# Altium PCB PCB_TEST.PcbDoc (part 5 of 6) (continued)
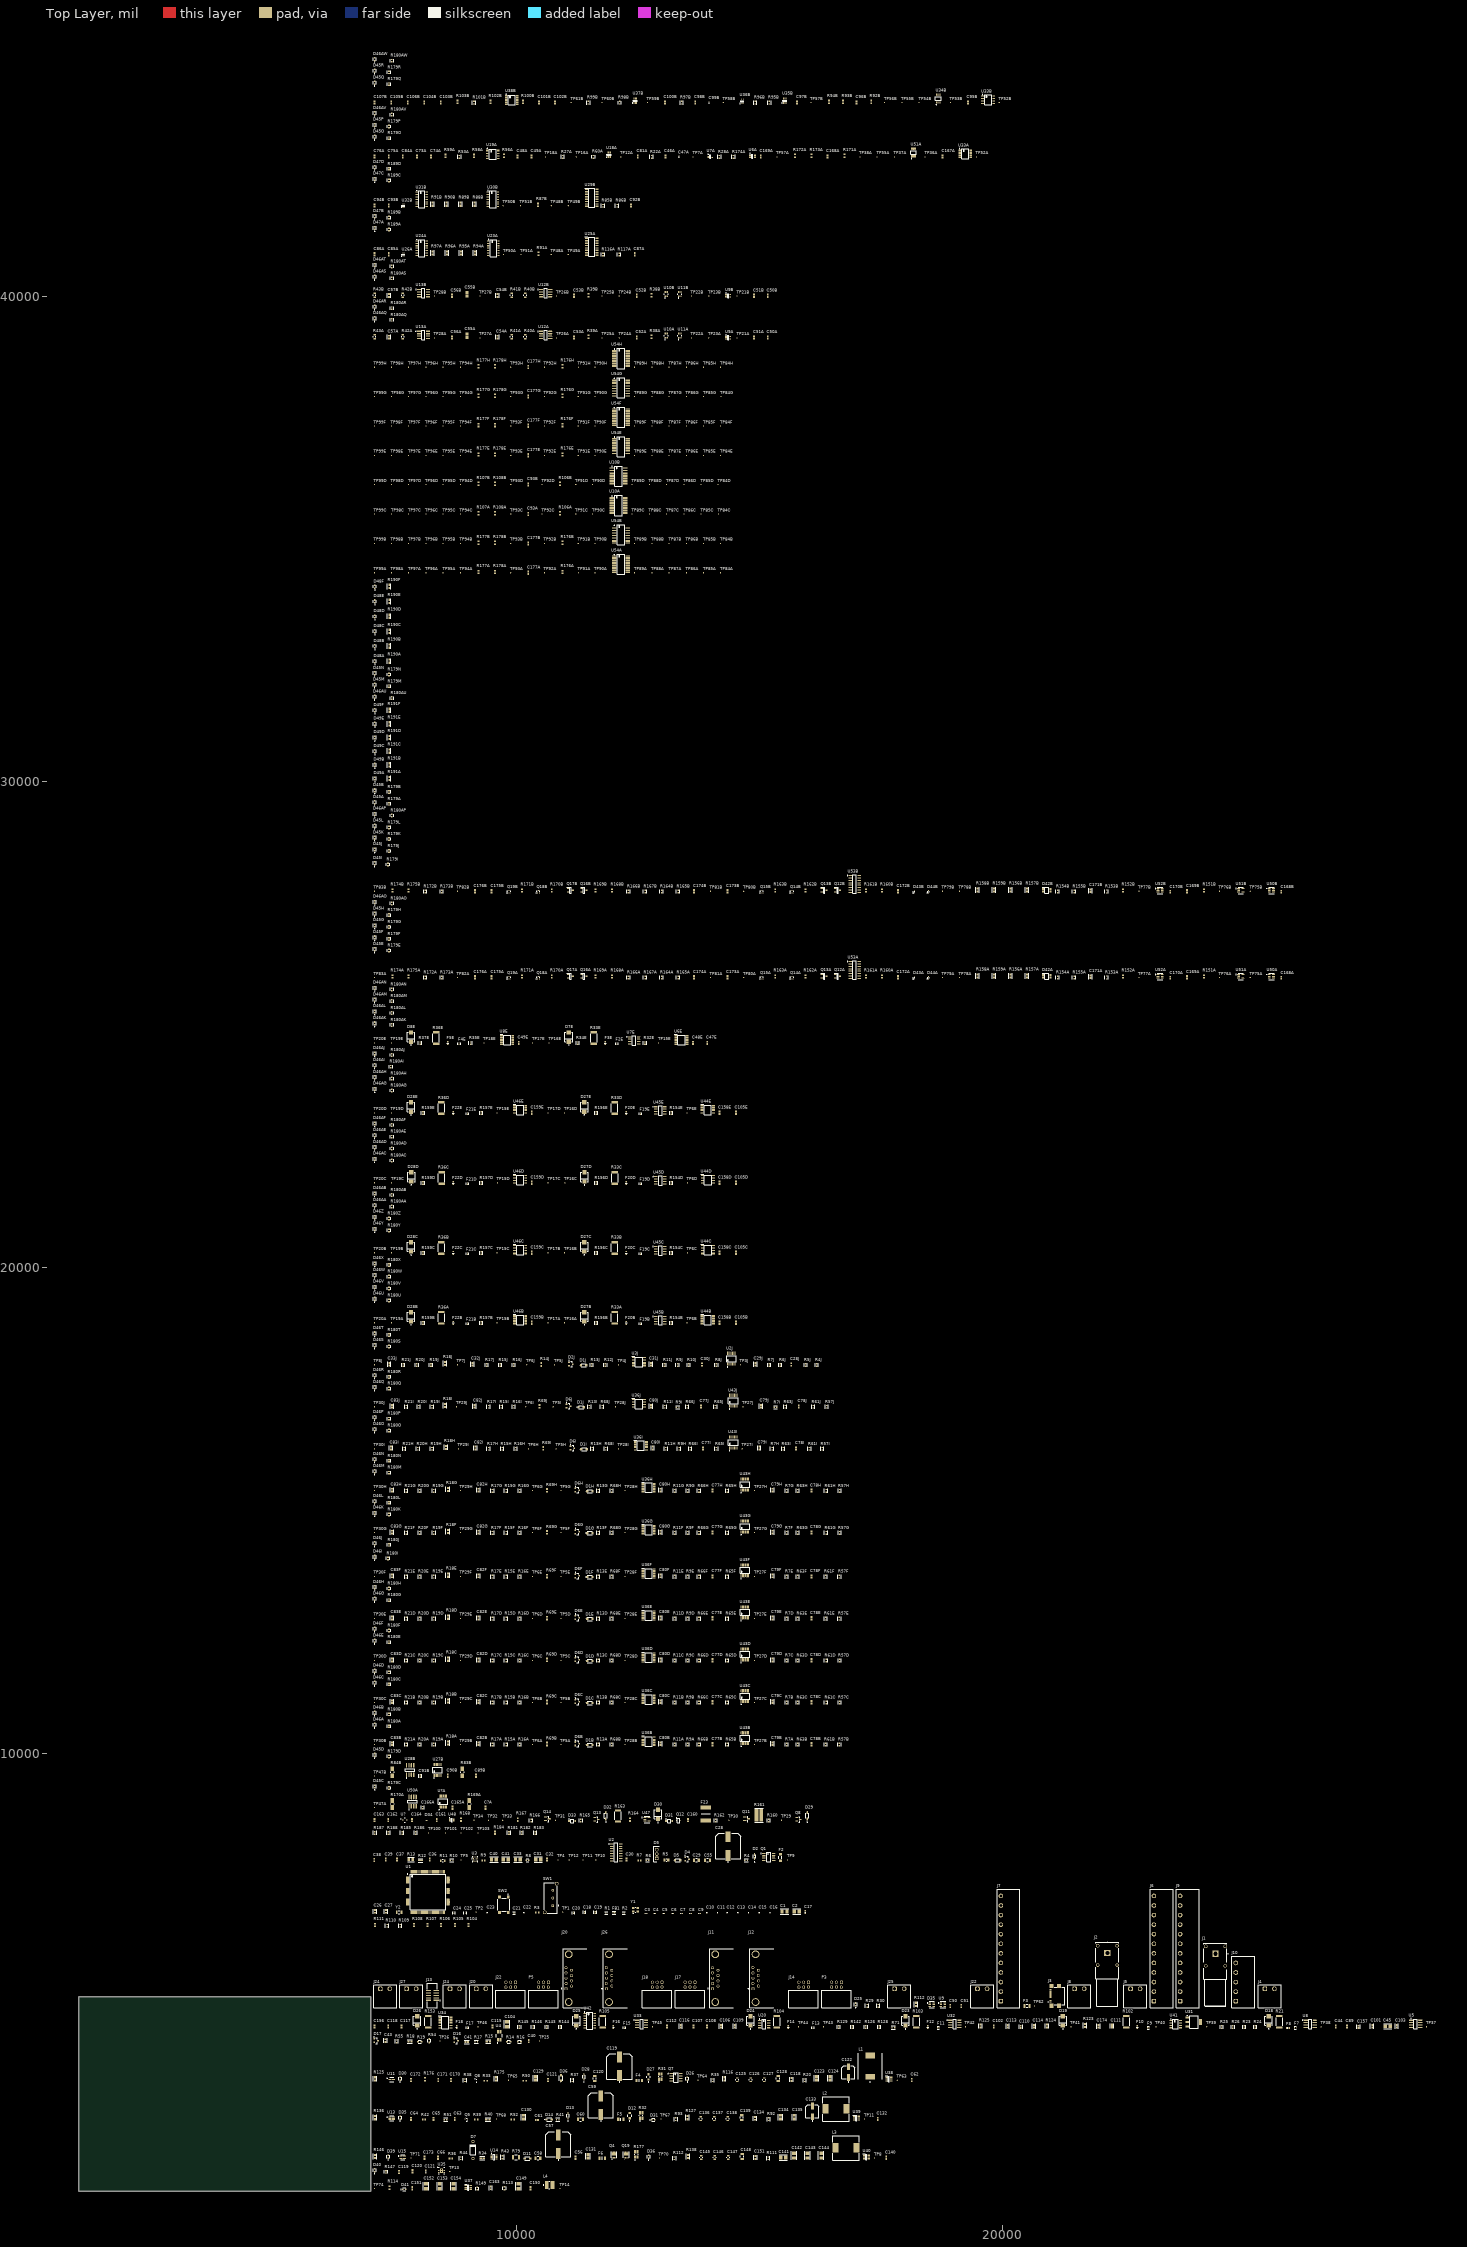
[diagram p0: Top Layer view]
## Part data (continued)
U2 U53A U53B: library part CMP-016-00012-1, "MC74HC238ADR2G, Decoder, Demultiplexer, 1-OF-8, Non-inverting, 2 to 6V, 16-PIN SOIC", Case/Package=SOP, Max Operating Temperature=125°C, Max Supply Voltage=6V, Min Operating Temperature=-55°C, Min Supply Voltage=2V, Mounting Technology="Surface Mount", Pins=16
U2J U43B U43C U43D U43E U43F U43G U43H U43I U43J: library part CMP-014-00007-1, "Cut Tape (CT) LM2901 CMOS MOS Open-Collector TTL 0.25muA comparator circuit 250nA 1.3mus 5mm 9V", Case/Package=TSSOP, Dual Supply Voltage=9V, Input Bias Current=-25nA, Input Offset Voltage (Vos)=2mV, Manufacturer Lifecycle Status=ACTIVE, Max Dual Supply Voltage=15V, Max Input Current=250nA, Max Junction Temperature (Tj)=125°C, Max Supply Current=2mA, Max Supply Voltage=30V, Min Dual Supply Voltage=1V, Min Operating Temperature=-40°C, Min Supply Voltage=2V, Operating Supply Voltage=28V, Output Current per Channel=20mA, Quiescent Current=2.5mA, Voltage Gain=100dB, Contact Plating=Gold, Height=0m, Lead Free="Lead Free", Length=5mm, Lifecycle Status=Production, Max Operating Temperature=125°C, Mounting Technology="Surface Mount", Nominal Supply Current=2mA, Number Of Channels=4, Number of Elements=4, Output Type=TTL, Packaging="Cut Tape", Pins=14, Radiation Hardening=No, REACH SVHC=No, Response Time=1.3µs, RoHS=Compliant, Schedule B="8542390000, 8542390000", Thickness=1mm, Weight=57.209338mg, Width=4.4mm
U3: library part CMP-031-00010-1, "2.7-V to 22-V, 56-mΩ, 4.5-A, power mux with seamless switchover 12-VQFN-HR -40 to 125", Max Operating Temperature=125°C, Max Supply Voltage=22V, Min Operating Temperature=-40°C, Min Supply Voltage=2.8V, Pins=12
U3J U36B U36C U36D U36E U36F U36G U36H U36I U36J: "Integrated Circuit", Manufacturer_Name=Nexperia, Mouser Part Number=771-HC151PW118, Arrow Part Number=74HC151PW,118, Arrow Price/Stock=https://www.arrow.com/en/products/74hc151pw118/nexperia?region=nac, Datasheet Link=https://assets.nexperia.com/documents/data-sheet/74HC_HCT151.pdf, Height=1.1mm, Manufacturer_Part_Number=74HC151PW,118, Mouser Price/Stock=https://www.mouser.co.uk/ProductDetail/Nexperia/74HC151PW118?qs=P62ublwmbi%252BqenrdxHR1gw%3D%3D
U4: library part CMP-014-00005-1, "Dual, 5.5-V, 10-MHz operational amplifier 8-VSSOP -40 to 125", Case/Package=VSSOP, Max Operating Temperature=125°C, Max Supply Voltage=5.5V, Min Operating Temperature=-40°C, Min Supply Voltage=1.8V, Pins=8
U5: library part CMP-019-00063-1, "LDO Regulator Pos 5V 0.5A Automotive 8-Pin SOIC N Tube / IC REG LDO 5V 0.5A 8SOIC", Dropout Voltage=300mV, Manufacturer Lifecycle Status=PRODUCTION, Max Operating Temperature=125°C, Max Output current=500mA, Max Supply Voltage=20V, Min Current Limit=520mA, Min Input Voltage=1.8V, Min Operating Temperature=-40°C, Nominal Output Voltage=5V, Operating Supply Current=30µA, Power Supply Rejection Ratio (PSRR)=65dB, Height=1.498mm, Lead Free="Lead Free", Length=5mm, Lifecycle Status=Production, Number Of Channels=1, Number of Outputs=1, Number of Regulators=1, Output Current=500mA, Output Type=Fixed, Output Voltage=5V, Pins=8, Polarity=Positive, Quiescent Current=30µA, REACH SVHC=No, RoHS=Compliant, Schedule B="8542390000, 8542390000", Width=3.988mm
U6A U18A U35B U37B: library part CMP-016-00013-1, "Translators, Level Shifters bidirectional 420Mbps 1.65V~5.5VCCA 1.65V~5.5VCCB", Case/Package=SC, High Level Output Current=-32mA, Low Level Output Current=32mA, Manufacturer Lifecycle Status=ACTIVE, Max Operating Temperature=85°C, Max Supply Voltage=5.5V, Min Operating Temperature=-40°C, Min Supply Voltage=1.65V, Quiescent Current=3µA, Contact Plating=Gold, Data Rate=420Mbps, Direction=Bidirectional, Height=1.1mm, Lead Free="Lead Free", Length=2mm, Lifecycle Status=Production, Logic Function="Transceiver, Translator", Min Supply Voltage (DC)=1.65V, Mounting Technology="Surface Mount", Number of Bits=1, Number Of Channels=1, Number of Elements=1, Packaging="Cut Tape", Pins=6, Polarity=Non-Inverting, Propagation Delay=3.9ns, Radiation Hardening=No, REACH SVHC=No, RoHS=Compliant, Schedule B="8542390000, 8542390000", Thickness=900µm, Topology=Push-Pull, Turn-On Delay Time=17.7ns, Weight=2.494758mg, Width=1.25mm
U6E U8E U44B U44C U44D U44E U46B U46C U46D U46E: "Integrated Circuit", Manufacturer_Name="Texas Instruments", Mouser Part Number=595-TMUX4052PWR, Arrow Part Number=TMUX4052PWR, Arrow Price/Stock=https://www.arrow.com/en/products/tmux4052pwr/texas-instruments.html?utm_currency=USD&region=nac, Datasheet Link=https://www.ti.com/lit/ds/symlink/tmux4052.pdf?ts=1676371866155&ref_url=https%253A%252F%252Fwww.ti.com%252Fproduct%252FTMUX4052, Height=1.2mm, Manufacturer_Part_Number=TMUX4052PWR, Mouser Price/Stock=https://www.mouser.co.uk/ProductDetail/Texas-Instruments/TMUX4052PWR?qs=amGC7iS6iy8OsL8GnYryxg%3D%3D
U7A U36B: library part CMP-004-00058-1, "11V Unidirectional 5.5V SOT-553-5 ESD and Surge Protection (TVS/ESD) ROHS", Ambient Temperature Range High=85°C, Breakdown Voltage=11V, Case/Package=SOT, Clamping Voltage=105.5V, Leakage Current=1nA, Manufacturer Lifecycle Status=ACTIVE, Max Junction Temperature (Tj)=150°C, Max Supply Voltage=5.5V, Min Operating Temperature=-40°C, Min Supply Voltage=900mV, Peak Pulse Current=10A, Power Line Protection=Yes, Contact Plating=Gold, Depth=1.2mm, Direction=Unidirectional, Element Configuration=Dual, Height=0m, Interface="Ethernet, LVDS", Lead Free="Lead Free", Length=1.6mm, Lifecycle Status=Production, Max Operating Temperature=85°C, Min Breakdown Voltage=11V, Number of Bidirectional Channels=2, Number Of Channels=2, Number of Outputs=2, Operating Supply Voltage=5.5V, Pins=5, Polarity=Unidirectional, Radiation Hardening=No, REACH SVHC=No, Reverse Standoff Voltage=5.5V, RoHS=Compliant, Schedule B="8541100080, 8541100080", Termination=SMD/SMT, Thickness=550µm, Weight=2.806603mg, Width=1.2mm, Working Voltage=5.5V
U7E U45B U45C U45D U45E: library part CMP-04895-000315-1, "IC OPAMP GP 2 CIRCUIT 8SOIC"
U8 U32 U33: library part CMP-014-00008-1, "IC OPAMP GP 2 CIRCUIT 8SOIC / General Purpose Amplifier 2 Circuit Rail-to-Rail 8-SOIC", Case/Package=SOIC, Input Bias Current=5pA, Input Offset Voltage (Vos)=25µV, Manufacturer Lifecycle Status=ACTIVE, Max Dual Supply Voltage=18V, Max Junction Temperature (Tj)=150°C, Max Operating Temperature=125°C, Max Supply Voltage=36V, Min Dual Supply Voltage=2.25V, Min Operating Temperature=-40°C, Min Supply Voltage=4.5V, Nominal Supply Current=140µA, Output Current per Channel=65mA, Bandwidth=2.2MHz, Height=1.75mm, Length=4.9mm, Lifecycle Status=Production, Number Of Channels=2, Pins=8, Response Time=700ns, RoHS=Compliant, Slew Rate=6.5V/µs, Thickness=1.58mm, Width=3.91mm
U9A U9B: library part CMP-0859-00252-3, "Single Inverter, DCK0005A, LARGE T&R", F @ Nom Voltage(Max)(Mhz)=150, Generic Part Number=SN74LVC1G04, ICC @ Nom Voltage(Max)(mA)=0.01, Manufacturer="Texas Instruments", Operating Temperature Range(C)="-40 to 125,-40 to 85", Rating=Catalog, tpd @ Nom Voltage(Max)(ns)=7.5,5.2,4.2,3.7, Voltage(Nom)(V)=1.8,2.5,3.3,5, 3-State Output=No, Bits(#)=1, DatasheetVersion=SCES214AD, Input Type=CMOS/TTL, Logic=Inverting, Output Drive (IOL/IOH)(Max)(mA)=32/-32, Output Type=CMOS, PackageReference=DCK0005A, Schmitt Trigger=No, Sub-Family="Inverting Buffer/Driver", Technology Family=LVC, VCC(Max)(V)=5.5, VCC(Min)(V)=1.65
U10A U10B U11A U11B U?: library part CMP-011-00020-1, "Single-pole Double-throw Analog Switch SPDT, 1 Func, 1 Channel, Cmos, PDSO6", Ambient Temperature Range High=125°C, Case/Package=SC, Drain to Source Resistance=11Ω, Frequency=340MHz, High Level Output Current=128mA, Manufacturer Lifecycle Status=ACTIVE, Max Junction Temperature (Tj)=150°C, Max Supply Current=10µA, Max Supply Voltage=5.5V, Min Operating Temperature=-40°C, Min Supply Voltage=1.65V, Nominal Supply Current=1µA, On-State Resistance=6Ω, -3db Bandwidth=340MHz, Bandwidth=300MHz, Contact Plating=Gold, Height=1.1mm, Interface="I2C, SPI, UART", Lead Free="Lead Free", Length=2mm, Lifecycle Status=Production, Low Level Output Current=128mA, Max Operating Temperature=125°C, Mounting Technology="Surface Mount", Number of Bits=1, Number Of Channels=1, Number of Circuits=1, Number of Inputs=2, Number of Outputs=1, Operating Supply Current=1µA, Packaging="Cut Tape", Pins=6, Polarity=Non-Inverting, Propagation Delay=2ns, Radiation Hardening=No, REACH SVHC=No, RoHS=Compliant, Schedule B="8542390000, 8542390000", Supply Type=Single, Termination=SMD/SMT, Thickness=900µm, Throw Configuration=SPDT, Turn-Off Delay Time=3.8ns, Turn-On Delay Time=5.7ns, Weight=2.494758mg, Width=1.25mm
U10A U10B U54A U54B U54E U54F U54G U54H: library part CMP-031-00018-1, "I²C Bus IC Operating temperature: -40...+125 °C Power supply: 1.8...5.5 V Package: SSOP-20", Case/Package=SSOP, Clock Frequency=1.7MHz, Manufacturer Lifecycle Status=REL, Max Operating Temperature=125°C, Max Power Dissipation=700mW, Max Supply Voltage=5.5V, Min Operating Temperature=-40°C, Min Supply Voltage=4.5V, Nominal Supply Current=1mA, Output Current=25mA, Country of Assembly="Philippines, Thailand", Country of Fabrication="United States of America", Country of Origin="Philippines, Thailand", Export Control Classification Number (ECCN) Code=EAR99, Frequency=1.7MHz, Harmonized Tariff Schedule (HTS) Code=8542.39.0060, HS Code=8542.39.0090, Interface="I2C, Serial", Introduction Date=2005-06-24, Lead Free="Lead Free", Lifecycle Status=Production, Mounting Technology="Surface Mount", Number of Bits=16, Number of I/Os=16, Packaging=Bulk, Pins=28, Projected EOL Date=2034-06-24, REACH SVHC=No, RoHS=Compliant, Schedule B="8542390000, 8542390000", Weight=2.26799g
U11 U13 U15: library part CMP-014-00006-1, "26-V bi-directional 350-kHz current-sense amplifier 6-SC70 -40 to 125", Max Operating Temperature=125°C, Max Supply Voltage=5.5V, Min Operating Temperature=-40°C, Min Supply Voltage=2.7V, Pins=6
U12A U12B U13A U13B: library part CMP-014-00004-1, "4.5ns, Rail-to-Rail, High Speed Comparator with Shutdown 8-SOIC -40 to 125", Ambient Temperature Range High=125°C, Case/Package=SOIC, Input Bias Current=2pA, Input Offset Voltage (Vos)=1mV, Manufacturer Lifecycle Status=ACTIVE, Max Junction Temperature (Tj)=150°C, Max Supply Voltage=5.5V, Min Operating Temperature=-40°C, Min Supply Voltage=2.2V, Nominal Supply Current=3.2mA, Operating Supply Current=5mA, Output Current=74mA, Power Supply Rejection Ratio (PSRR)=100dB, Common Mode Rejection Ratio=70dB, Height=1.75mm, Hysteresis=6mV, Lead Free="Lead Free", Length=4.9mm, Lifecycle Status=Production, Max Operating Temperature=125°C, Mounting Technology="Surface Mount", Number Of Channels=1, Number of Elements=1, Output Type=TTL, Pins=8, Propagation Delay=10ns, Quiescent Current=5mA, Radiation Hardening=No, REACH SVHC=No, Response Time=4.5ns, RoHS=Compliant, Schedule B="8542390000, 8542390000", Supply Type=Single, Thickness=1.58mm, Type="General Purpose", Weight=75.891673mg, Width=3.91mm
U14: library part CMP-031-00014-1, "Overvoltage, Undervoltage and Reverse Supply Protection Controller", Case/Package=SOT-23-8, Max Operating Temperature=70°C, Min Operating Temperature=0°C, Pins=8
U19A U38B: library part CMP-00024-00006-1, "3- to 5.5-V single channel 1Mbps RS-232 line driver/receiver with +/-15-kV IEC-ESD protection 16-TSSOP -40 to 85", Case/Package=TSSOP, Manufacturer Lifecycle Status=ACTIVE, Max Operating Temperature=85°C, Max Supply Voltage=5.5V, Min Operating Temperature=-40°C, Min Supply Voltage=3V, Nominal Supply Current=1mA, Operating Supply Voltage=5V, Output Current=35mA, Output Voltage=13.2V, Contact Plating=Gold, Data Rate=1Mbps, ESD Protection=Yes, Height=1.2mm, Lead Free="Lead Free", Length=5mm, Lifecycle Status=Production, Logic Function="Receiver, Transceiver", Mounting Technology="Surface Mount", Number of Drivers=1, Number of Receivers=1, Number of Transceivers=1, Number of Transmitters=1, Pins=16, Propagation Delay=150ns, RoHS=Compliant, Schedule B="8542390000, 8542390000", Simplex/Duplex="Full Duplex", Thickness=1mm, Weight=61.887009mg, Width=4.4mm
U20: library part CMP-019-00062-1, "V-Ref Precision 5V 10mA 8-Pin SOIC N Tube / IC VREF SERIES 5V 8SOIC", Case/Package=SOIC, Manufacturer Lifecycle Status=PRODUCTION, Max Operating Temperature=125°C, Max Output current=10mA, Max Output Voltage=5V, Max Supply Voltage=15V, Min Input Voltage=3V, Min Operating Temperature=-40°C, Nominal Supply Current=950µA, Temperature Coefficient=4ppm/°C, Tolerance=0.04%, Height=1.5mm, Lead Free="Contains Lead", Length=5mm, Lifecycle Status=Production, Min Output Voltage=5V, Operating Supply Current=950µA, Output Current=10mA, Output Type=Fixed, Output Voltage=5V, Pins=8, Radiation Hardening=No, REACH SVHC=No, Reference Type=Series, Reference Voltage=5V, RoHS=Compliant, Schedule B="8542390000, 8542390000", Width=4mm
U23A U24A U30B U31B: library part CMP-031-00016-1, "Buffer/Line Driver 4-CH Non-Inverting 3-ST CMOS Automotive 14-Pin SOIC T/R", Case/Package=SOIC, Max Operating Temperature=125°C, Max Supply Voltage=3.6V, Min Operating Temperature=-40°C, Min Supply Voltage=1.65V, Mounting Technology="Surface Mount", Pins=14
U25A U29B: "Integrated Circuit", Manufacturer_Name=Nexperia, Mouser Part Number=771-74HC138D-T, Arrow Part Number=74HC138D,653, Arrow Price/Stock=https://www.arrow.com/en/products/74hc138d653/nexperia?utm_currency=USD&region=nac, Datasheet Link=https://assets.nexperia.com/documents/data-sheet/74HC_HCT138.pdf, Height=1.75mm, Manufacturer_Part_Number=74HC138D,653, Mouser Price/Stock=https://www.mouser.co.uk/ProductDetail/Nexperia/74HC138D653?qs=P62ublwmbi8APHT0Qk%252B6Yw%3D%3D
U26A U32B: "Integrated Circuit", Manufacturer_Name="Texas Instruments", Mouser Part Number=595-TPD4E1B06DRLR, Arrow Part Number=TPD4E1B06DRLR, Arrow Price/Stock=https://www.arrow.com/en/products/tpd4e1b06drlr/texas-instruments?utm_currency=USD&region=nac, Datasheet Link=http://www.ti.com/lit/ds/symlink/tpd4e1b06.pdf, Height=0.6mm, Manufacturer_Part_Number=TPD4E1B06DRLR, Mouser Price/Stock=https://www.mouser.co.uk/ProductDetail/Texas-Instruments/TPD4E1B06DRLR?qs=1MXlzafEN387aRSX0e2MEQ%3D%3D
U27B U?A: library part CMP-04892-000034-1, "IC SWITCH SPST QUAD 14TSSOP", RoHS Compliant=Yes
U28B U50A: library part CMP-0315-00015-3, "IC TRANSCEIVER HALF 1/1 8SOIC", Case/Package=D, Max Operating Temperature=85°C, Max Supply Current=17mA, Max Supply Voltage=3.6V, Min Operating Temperature=-40°C, Min Supply Voltage=3V, Operating Supply Voltage=3.3V, Package Quantity=1, Contact Plating=Gold, Data Rate=1Mbps, Lead Free="Lead Free", Nominal Supply Current=17mA, Number of Drivers=1, Number of I/Os=2, Number of Pins=8, Number of Receive Buffers=1, Number of Receivers=1, Number of Transceivers=1, Number of Transmit Buffers=1, Packaging="Tape and Reel", Radiation Hardening=No, REACH SVHC="No SVHC", Termination=SMD/SMT, Weight=0.002561oz
U31: library part CMP-019-00061-1, "LDO Regulator Pos 0V to 30V 1.1A Automotive 4-Pin(3+Tab) SOT-223", Manufacturer Lifecycle Status=PRODUCTION, Max Operating Temperature=125°C, Max Output current=1.1A, Max Output Voltage=36V, Min Input Voltage=1.2V, Min Operating Temperature=-40°C, Min Output Voltage=0V, Operating Supply Current=300µA, Output Voltage Accuracy=1%, Quiescent Current=500µA, Reference Voltage=5mV, Height=1.7mm, Lead Free="Lead Free", Length=6.71mm, Lifecycle Status=Production, Max Supply Voltage=36V, Min Current Limit=1.1A, Number Of Channels=1, Number of Outputs=1, Number of Regulators=1, Output Current=1.1A, Output Type=Adjustable, Pins=3, Polarity=Positive, REACH SVHC=No, RoHS=Compliant, Schedule B="8542390000, 8542390000", Width=3.71mm
U33A U33B: library part CMP-016-00019-1, "4.3NS@ 3.3V, 50PF 1 2 4 4 2V 3.6V 24MA Nand Gate Lvc 24MA TSSOP-14 5MM*4.4MM*1.15MM", Case/Package=TSSOP, High Level Output Current=-24mA, Low Level Output Current=24mA, Manufacturer Lifecycle Status=ACTIVE, Max Operating Temperature=125°C, Max Supply Voltage=3.6V, Min Operating Temperature=-40°C, Min Supply Voltage=2V, Quiescent Current=10µA, Height=0m, Lead Free="Lead Free", Length=5mm, Lifecycle Status=Production, Logic Function=NAND, Mounting Technology="Surface Mount", Number of Bits=4, Number of Circuits=4, Number of Elements=4, Number of Gates=4, Number of Input Lines=2, Number of Inputs=2, Number of Output Lines=1, Number of Outputs=1, Packaging="Tape & Reel (TR)", Pins=14, Propagation Delay=4.3ns, Radiation Hardening=No, RoHS=Compliant, Thickness=1mm, Turn-On Delay Time=4.3ns, Weight=57.209338mg, Width=4.4mm
U34: "Integrated Circuit", Manufacturer_Name=Microchip, Manufacturer_Part_Number=MCP48CVB28T-20E/ST, Mouser Part Number=579-MCP48CVB28T20EST, Datasheet Link=https://ww1.microchip.com/downloads/aemDocuments/documents/MSLD/ProductDocuments/DataSheets/MCP48CXBX4_8-Family-Data-Sheet-20006556B.pdf, Height=1.2mm, Mouser Price/Stock=https://www.mouser.co.uk/ProductDetail/Microchip-Technology/MCP48CVB28T-20E-ST?qs=W%2FMpXkg%252BdQ6AZUXaqyjWrA%3D%3D
U34B U51A: library part CMP-011-00021-1, "5V, 4: 1, 1-channel, analog multiplexer, 1.8V compatible logic 10-VSSOP -40 to 125", Ambient Temperature Range High=125°C, Case/Package=VSSOP, Manufacturer Lifecycle Status=ACTIVE, Max Junction Temperature (Tj)=150°C, Max Supply Voltage=5.5V, Min Operating Temperature=-40°C, Min Supply Voltage=1.08V, Nominal Supply Current=10nA, On-State Resistance=5Ω, -3db Bandwidth=125MHz, Height=1.07mm, Length=3mm, Lifecycle Status=Production, Max Operating Temperature=125°C, Number Of Channels=1, Number of Circuits=1, Pins=10, RoHS=Compliant, Schedule B="8542390000, 8542390000", Thickness=1.02mm, Throw Configuration=SP4T, Width=3mm
U35: library part CMP-019-00056-1, "500 mA low quiescent current low noise voltage regulator", Case/Package="DFN EP", Dropout Voltage=400mV, Max Operating Temperature=125°C, Max Supply Voltage=5.5V, Min Operating Temperature=-40°C, Output Current=500mA, Output Voltage=3.3V, Mounting Technology="Surface Mount", Pins=6
U37: "Undefined or Miscellaneous", Manufacturer_Name="Texas Instruments", Mouser Part Number=595-TPS561208DDCR, Arrow Part Number=TPS561208DDCR, Arrow Price/Stock=https://www.arrow.com/en/products/tps561208ddcr/texas-instruments?utm_currency=USD&region=nac, Datasheet Link=http://www.ti.com/lit/gpn/tps561208, Height=1.1mm, Manufacturer_Part_Number=TPS561208DDCR, Mouser Price/Stock=https://www.mouser.co.uk/ProductDetail/Texas-Instruments/TPS561208DDCR?qs=5aG0NVq1C4wGRU8Kylr4iw%3D%3D
U38 U39 U40: "Integrated Circuit", Manufacturer_Name="Texas Instruments", Mouser Part Number=595-LMR51625XDDCR, Arrow Part Number=LMR51625XDDCR, Arrow Price/Stock=https://www.arrow.com/en/products/lmr51625xddcr/texas-instruments.html?utm_currency=USD&region=nac, Datasheet Link=https://www.ti.com/lit/ds/symlink/lmr51625.pdf?ts=1740555768028, Height=1.1mm, Manufacturer_Part_Number=LMR51625XDDCR, Mouser Price/Stock=https://www.mouser.co.uk/ProductDetail/Texas-Instruments/LMR51625XDDCR?qs=efUn273yAheKjJQ13bmSQQ%3D%3D
U41: library part CMP-019-00065-1, "ISP452 Series 34 V 100 mOhm SMT Smart Power High Side Switch - PG-DSO-8", Case/Package=SOP, Current=2.4A, Max Operating Temperature=85°C, Max Output current=8.5A, Max Power Dissipation=1.5W, Max Supply Current=500µA, Max Supply Voltage=34V, Min Operating Temperature=-30°C, Min Supply Voltage=5V, Nominal Supply Voltage=41V, On-State Resistance=100mΩ, Operating Supply Voltage=20V, Output Current=2A, Package Quantity=2500, Temperature Grade="Commercial Extended", Voltage=16V, China RoHS=Compliant, Country of Origin=Malaysia, Export Control Classification Number (ECCN) Code=EAR99, Harmonized Tariff Schedule (HTS) Code=8542.39.00.60, Height=1.45mm, Height - Seated (Max)=1.75mm, Introduction Date=2006-03-09, Length=5mm, Lifecycle Status=Production, Load Current=2.4A, Nominal Supply Current=500µA, Number Of Channels=1, Number of Circuits=1, Number of Outputs=1, Number of Terminals=8, Number of Transmitters=1, Output Current per Channel=2.4A, Packaging="Tape & Reel", Pins=8, Power Dissipation=1.5W, Radiation Hardening=No, REACH SVHC=Yes, RoHS=Compliant, Schedule B=8542390000, Terminal Pitch=1.27mm, Width=4mm
U42: library part CMP-015-00011-1, "8mA 1 4.5V~5.5V 8mA 4 SOP-14 Buffer/Driver/Transceiver ROHS", Case/Package=SOIC, High Level Output Current=-8mA, Low Level Output Current=8mA, Manufacturer Lifecycle Status=ACTIVE, Max Operating Temperature=85°C, Max Supply Voltage=5.5V, Min Operating Temperature=-40°C, Min Supply Voltage=4.5V, Operating Supply Voltage=5V, Quiescent Current=2µA, Height=0m, Lead Free="Lead Free", Length=8.65mm, Lifecycle Status=Production, Logic Function="Buffer, Inverting", Mounting Technology="Surface Mount", Number of Bits=4, Number of Bits per Element=1, Number Of Channels=4, Number of Circuits=4, Number of Elements=4, Number of Input Lines=4, Number of Inputs=4, Number of Output Lines=4, Number of Outputs=4, Packaging="Tape & Reel", Pins=14, Polarity=Non-Inverting, Propagation Delay=7.5ns, Radiation Hardening=No, REACH SVHC=No, RoHS=Compliant, Schedule B="8542390000, 8542390000", Thickness=1.58mm, Turn-On Delay Time=10ns, Width=3.91mm
U47: library part CMP-04912-000026-1, "IC GATE DVR LOW SIDE 1CH SOT23-5", Case/Package=SOT-23-5, Max Operating Temperature=125°C, Max Output current=4A, Max Supply Voltage=18V, Min Operating Temperature=-40°C, Min Supply Voltage=4.5V, Package Quantity=3000, Channel Type=Single, Lead Free="Lead Free", Mount="Surface Mount", Number Of Channels=1, Number of Drivers=1, Number of Outputs=1, Number of Pins=5, Packaging="Tape and Reel", Radiation Hardening=No
U48: library part CMP-0859-00822-3, "Single-Bit Dual-Supply Bus Transceiver with Configurable Voltage Translation and 3-State Outputs, DRL0006A, LARGE T&R", F @ Nom Voltage(Max)(Mhz)=150, Generic Part Number=SN74LVC1T45, ICC @ Nom Voltage(Max)(mA)=0.004, Manufacturer="Texas Instruments", Operating Temperature Range(C)="-40 to 85", Rating=Catalog, tpd @ Nom Voltage(Max)(ns)=15.5,8,5.8,4.4, Voltage(Nom)(V)=1.8,2.5,3.3,5, 3-State Output=Yes, Bits(#)=1, DatasheetVersion=SCES515K, Input Type=CMOS/TTL, Logic=True, Output Drive (IOL/IOH)(Max)(mA)=32/-32, Output Type=CMOS, PackageReference=DRL0006A, Schmitt Trigger=No, Sub-Family="Dual Supply Translator", Technology Family=LVC, VCC(Max)(V)=5.5, VCC(Min)(V)=1.65
U50A U50B U52A U52B: library part CMP-00000-1, "5.5-V, 2-A, 52-mΩ load switch with adj. rise time and adj. output discharge 6-SOT-23 -40 to 105", Ambient Temperature Range High=105°C, Case/Package=SOT-23, Manufacturer Lifecycle Status=ACTIVE, Max Junction Temperature (Tj)=125°C, Max Output current=2A, Max Supply Voltage=5.5V, Min Operating Temperature=-40°C, Min Supply Voltage=1V, Fall Time=2µs, Height=0m, Interface=On/Off, Lead Free="Lead Free", Length=2.9mm, Lifecycle Status=Production, Max Operating Temperature=105°C, Number Of Channels=1, Number of Drivers=1, Number of Outputs=1, Output Configuration="High Side", Output Current=2A, Pins=6, Rise Time=2.54ms, RoHS=Compliant, Schedule B="8542390000, 8542390000", Thickness=1.2mm, Turn-Off Delay Time=2µs, Turn-On Delay Time=1.95ms, Width=1.6mm
U51A U51B: library part CMP-016-00018-1, "Single 1.65-V to 5.5-V inverter 5-SOT-23 -40 to 125", Ambient Temperature Range High=125°C, Case/Package=SOT-23, High Level Output Current=-32mA, Low Level Output Current=32mA, Manufacturer Lifecycle Status=ACTIVE, Max Supply Voltage=5.5V, Min Operating Temperature=-40°C, Min Supply Voltage=1.65V, Nominal Supply Current=10µA, Contact Plating=Tin, Height=1.45mm, Lead Free="Lead Free", Length=2.9mm, Lifecycle Status=Production, Logic Function=Inverter, Max Operating Temperature=125°C, Max Output current=32mA, Mounting Technology="Surface Mount", Number of Bits=1, Number Of Channels=1, Number of Circuits=1, Number of Elements=1, Number of Gates=1, Number of Inputs=1, Number of Outputs=1, Output Current=32mA, Pins=5, Propagation Delay=3.7ns, Quiescent Current=10µA, Radiation Hardening=No, REACH SVHC=No, RoHS=Compliant, Schedule B="8542390000, 8542390000", Schmitt Trigger Input=No, Termination=SMD/SMT, Thickness=1.2mm, Turn-On Delay Time=7.5ns, Weight=15.790684mg, Width=1.6mm
Y1: "Crystal or Oscillator", Manufacturer_Name=ECS, Mouser Part Number=520-160-12-33AGN-TR3, Arrow Part Number=ECS-160-12-33-AGN-TR3, Arrow Price/Stock=https://www.arrow.com/en/products/ecs-160-12-33-agn-tr3/ecs-international?utm_currency=USD&region=nac, Datasheet Link=https://ecsxtal.com/store/pdf/ecx-32.pdf, Height=0.8mm, Manufacturer_Part_Number=ECS-160-12-33-AGN-TR3, Mouser Price/Stock=https://www.mouser.co.uk/ProductDetail/ECS/ECS-160-12-33-AGN-TR3?qs=e8oIoAS2J1R5dXUdgVaN0g%3D%3D
Y2: library part CMP-003-00030-1, "Crystal 0.032768MHz ±20ppm (Tol) 6pF FUND 50000Ohm Automotive 2-Pin SMD T/R", Frequency=32.768kHz, Load Capacitance=6pF, Max Operating Temperature=125°C, Min Operating Temperature=-40°C, ESR=80k, Mounting Technology="Surface Mount"

## Via types
v1: diameter 15.75, hole 7.87, Top Layer to Bottom Layer, 4 vias
v2: diameter 19.68, hole 7.87, Top Layer to Bottom Layer, 2 vias

## Nets (pads, with @x,y where several pads share a name; then routed paths per layer and width w, separated by ;. In a path a pad name is that pad's centre, name@x,y a point inside that pad or via, vN(x,y) a via of type N, cw(c..) or ccw(c..) an arc to the next point about the centre after c; other vN are vias at no path point)
3V3_Feedback: C163.1@9475,1036.42 R113.1 R114.1 TP74.1 U37.4
3V3_REGULATED: C30.2 C30J.1 C46A.1 C48A.2 C50A.1 C50B.1 C51A.1 C51B.1 C52A.2 C52B.2 C53A.1 C53B.1 C55A.1 C55B.1 C56A.1 C56B.1 C76A.2 C77B.1 C77C.1 C77D.1 C77E.1 C77F.1 C77G.1 C77H.1 C77I.1 C77J.1 C85A.1 C86A.1 C87A.1 C90B.1 C92B.1 C93A.1 C93B.1 C94B.1 C97B.2 C98B.1 C101B.2 C107B.2 C152.1 C153.1 C154.1 C161.2 C162.2 C163.2@9475,1093.58 C165A.1 C169A.2 C169B.2 C170A.2 C170B.2 C172A.2 C172B.2 C177A.1 C177B.1 C177E.1 C177F.1 C177G.1 C177H.1 D42A.2 D42B.2 L4.2 R32E.2 R35E.2 R56A.1 R85B.2 R86B.2 R95B.2 R100B.1 R106A.2 R106B.2 R109.1 R110.1 R111.2@7095,6504.53 R113.2 R116A.2 R117A.2 R149.1 R154A.2 R154B.2 R154C.2 R154D.2 R154E.2 R155A.2 R155B.2 R157B.2@9280,18889.78 R157C.2 R157D.2 R157E.2 R168.1 R174A.2@14470,42891.64 R176A.2 R176B.2 R176E.2 R176F.2 R176G.2 R176H.2 R189A.1 R189B.1 R189C.1 R189D.1 TP14.1 U2.16 U3J.9 U3J.16 U6A.1 U6A.5 U6E.12 U8E.12 U9A.5 U9B.5 U10A.5@13085,39228.31 U10A.9 U10B.5@13085,40083.31 U10B.9 U10B.15 U11A.5 U11B.5 U12A.7 U12B.7 U13A.7 U13B.7 U18A.1 U19A.15 U23A.14 U24A.14 U25A.16 U28B.3 U29B.16 U30B.14 U31B.14 U33A.14 U33B.14 U34B.4 U35B.1 U35B.5 U36B.9 U36B.16 U36C.9 U36C.16 U36D.9 U36D.16 U36E.9 U36E.16 U36F.9 U36F.16 U36G.9 U36G.16 U36H.9 U36H.16 U36I.9 U36I.16 U36J.9 U36J.16 U37B.1 U38B.15 U44B.12 U44C.12 U44D.12 U44E.12 U46B.12 U46C.12 U46D.12 U46E.12 U50A.3@7890,8919.98 U51A.4@18194.69,42874.26 U51A.5@24953.33,26037.4 U51B.5 U52A.1 U52B.1 U53A.16 U53B.16 U54A.9 U54A.15 U54A.17 U54B.9 U54B.16 U54B.17 U54E.9 U54E.16 U54F.9 U54F.15 U54F.16 U54G.9 U54G.17 U54H.9 U54H.15 U54H.16 U54H.17 U?.3
3V3_SW: C151.1@7860,1030.39 L4.1 U37.2
3V3_VBST: C151.2@7860,1079.61 U37.6
5V: C28J.1 C33.1 C40.1@9489.79,7825 C41.1@9734.79,7825 C78B.1 C78C.1 C78D.1 C78E.1 C78F.1 C78G.1 C78H.1 C78I.1 C78J.1 C81A.1 C89B.1 C95B.2 C100B.1 C106.1 C107.2 C119.2@7585,1420.59 C120.2@7865,1429.61 C149.1 C150.1 C156.2 C163.2@7085,8659.61 C164.2 C167A.2 C168A.2@25745,25992.64 C168B.2 C?A.1 D2J.2 D6B.2 D6C.2 D6D.2 D6E.2 D6F.2 D6G.2 D6H.2 D6I.2 D6J.2 R9.2 TP4.1 U2J.3 U3.1 U3.8 U6E.14 U7A.1 U8E.14 U20.2 U27B.14 U34B.5 U34B.6 U34B.7 U35.1 U35.6 U36B.1@14630.32,43963.66 U37.3 U37.5 U42.13 U42.14 U43B.3 U43C.3 U43D.3 U43E.3 U43F.3 U43G.3 U43H.3 U43I.3 U43J.3 U44B.14 U44C.14 U44D.14 U44E.14 U46B.14 U46C.14 U46D.14 U46E.14 U50A.1@25496.67,26037.4 U50B.1 U51A.5@18214.37,42874.26 U51A.6 U51A.7 U?.1 U?.5 U?A.14
  other v1: 9139.25,7843.78 9170.75,7843.78
5V_CB: C140.2 U40.6
5V_Feedback: C151.1@14925,1661.42 R111.1@15185,1648.36 R112.2@13255,1701.64 TP70.1 U40.1
5V_OUT: F6.2 J4.1
5V_OUT_Clamped: D7.2 R79.1 U14.7
5V_OUT_common_gate: Q4.4 Q19.4 U14.8
5V_OUT_common_source: Q4.1 Q4.2 Q4.3 Q19.1 Q19.2 Q19.3 R146.1@7095,1677.44
5V_OUT_Current_ADC: U15.6
5V_OUT_EN: TP71.1 U2.13 U14.5
5V_OUT_shunted: C56.2 C131.1 Q4.5 Q4.6 Q4.7 Q4.8 Q4.9 R177.2 R177.4 U14.1 U14.2 U15.5
5V_OUT_unfused: C57.2 C58.1 D11.1 F6.1 Q19.5 Q19.6 Q19.7 Q19.8 Q19.9 R34.2 R43.2 R79.2
5V_OUT_Volt_ADC: C173.2 R34.1 R36.1
5V_OV_detect: R43.1 R44.2 U14.3
5V_REGULATED: C31.1 C32.2 C141.1 C142.1 C143.1 C144.1 C151.2@14925,1718.58 L3.2 R8.2 R111.2@15185,1701.64 R138.1 R177.1 R177.3 TP8.1 U3.7 U15.4
  other v1: 9170.75,7816.22
5V_SW: C140.1 L3.1 U40.5
12V_base: Q11.1 R162.1 R164.1
12V_CB: C132.2
12V_Feedback: C134.1@14915,2466.42 R92.1 R93.2 TP67.1
12V_gate: Q8.1@15773.52,8686.02 Q11.3 R160.1 TP30.1
12V_OUT: F5.2 J5.1
12V_OUT_Collector: Q5.3 R52.2
12V_OUT_Current_ADC: U13.6
12V_OUT_Drain: D12.2 Q7.5 Q7.6 R136.1
12V_OUT_EN: R39.2 U2.14
12V_OUT_EN_Filtered: C63.2 Q5.1 R39.1 R51.2 TP68.1
12V_OUT_Gate: D13.2 Q7.4 R41.1 R52.1
12V_OUT_Rectified: C59.2 C60.1 D12.1 D14.1 F5.1 R40.2
12V_OUT_Shunted: C61.2 C130.1 D13.1 Q7.3 R32.2 R32.4 R41.2 U13.5
12V_OUT_Volt_ADC: C64.2 R40.1 R42.1
12V_REGULATED: C44.2 C133.2 C134.1@15440,2483.53 C134.2@14915,2523.58 C135.1 C157.1 C160.2 L2.2 Q8.2@15773.52,8613.98 R32.1 R32.3 R92.2 R127.1 R160.2 TP11.1@17170,2480 U5.5 U5.8 U6E.15 U8E.15 U13.4 U44B.15 U44C.15 U44D.15 U44E.15 U46B.15 U46C.15 U46D.15 U46E.15 U47.1 U47.3
12V_schottkey: D29.2 Q8.3@15846.48,8650
12V_SW: C132.1 L2.1
24_OUT_Drain: R125.1@7095,3277.44
24V_base: Q14.1 R166.1 R167.1
24V_CB: C62.2 U38.6
24V_Feedback: C118.1@15665,3266.42 R20.1 R35.2 TP64.1 U38.1
24V_gate: D33.2 Q13.1 Q14.3 R165.1 TP31.1
24V_OUT: F4.2 J8.1
24V_OUT_Collector: Q8.3@9200.49,3270 R50.2
24V_OUT_Current_ADC: U11.6
24V_OUT_Drain: D27.2 Q7.7 Q7.8
24V_OUT_EN: R33.2 U2.15
24V_OUT_EN_Filtered: C170.2 Q8.1@9149.51,3289.68 R33.1 R38.2 TP65.1
24V_OUT_Gate: D28.2 Q7.2 R37.1 R50.1
24V_OUT_Rectified: C119.2@12125,3755.94 C120.1@11615,3264.77 D27.1 D36.1@10920,3269.88 F4.1 R175.2